# Altium PCB DC Battery Capacity Tester V1.2.PcbDoc (part 1 of 2)
Units mm, origin at the board's own origin, x right, y up, seen from the top; angles counter-clockwise.
Board outline 180.24 x 170.15 mm, 4 copper layers (SIG1, GND, PWR, SIG2), stack 1.746 mm thick; 140 components, 125 nets, 557 pads, 492 vias.
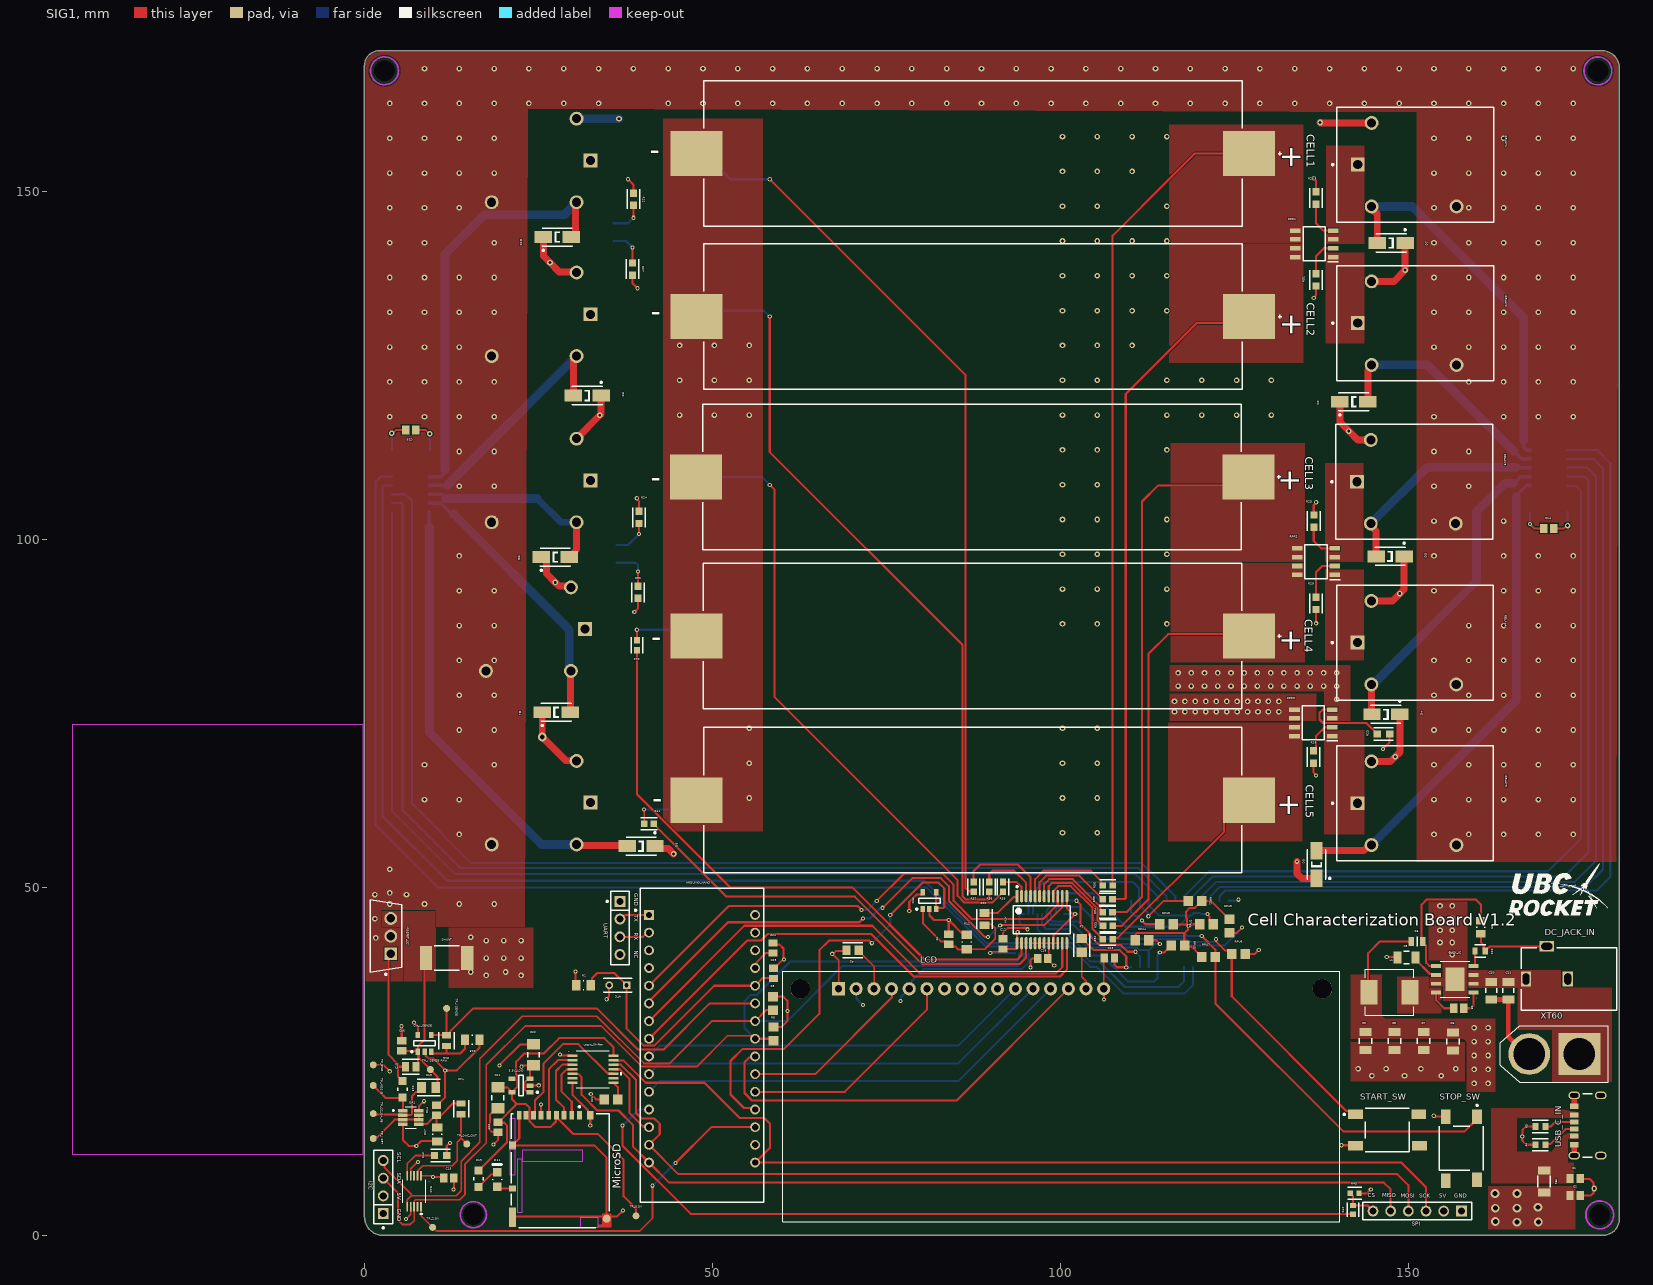
[diagram p0: SIG1 view]
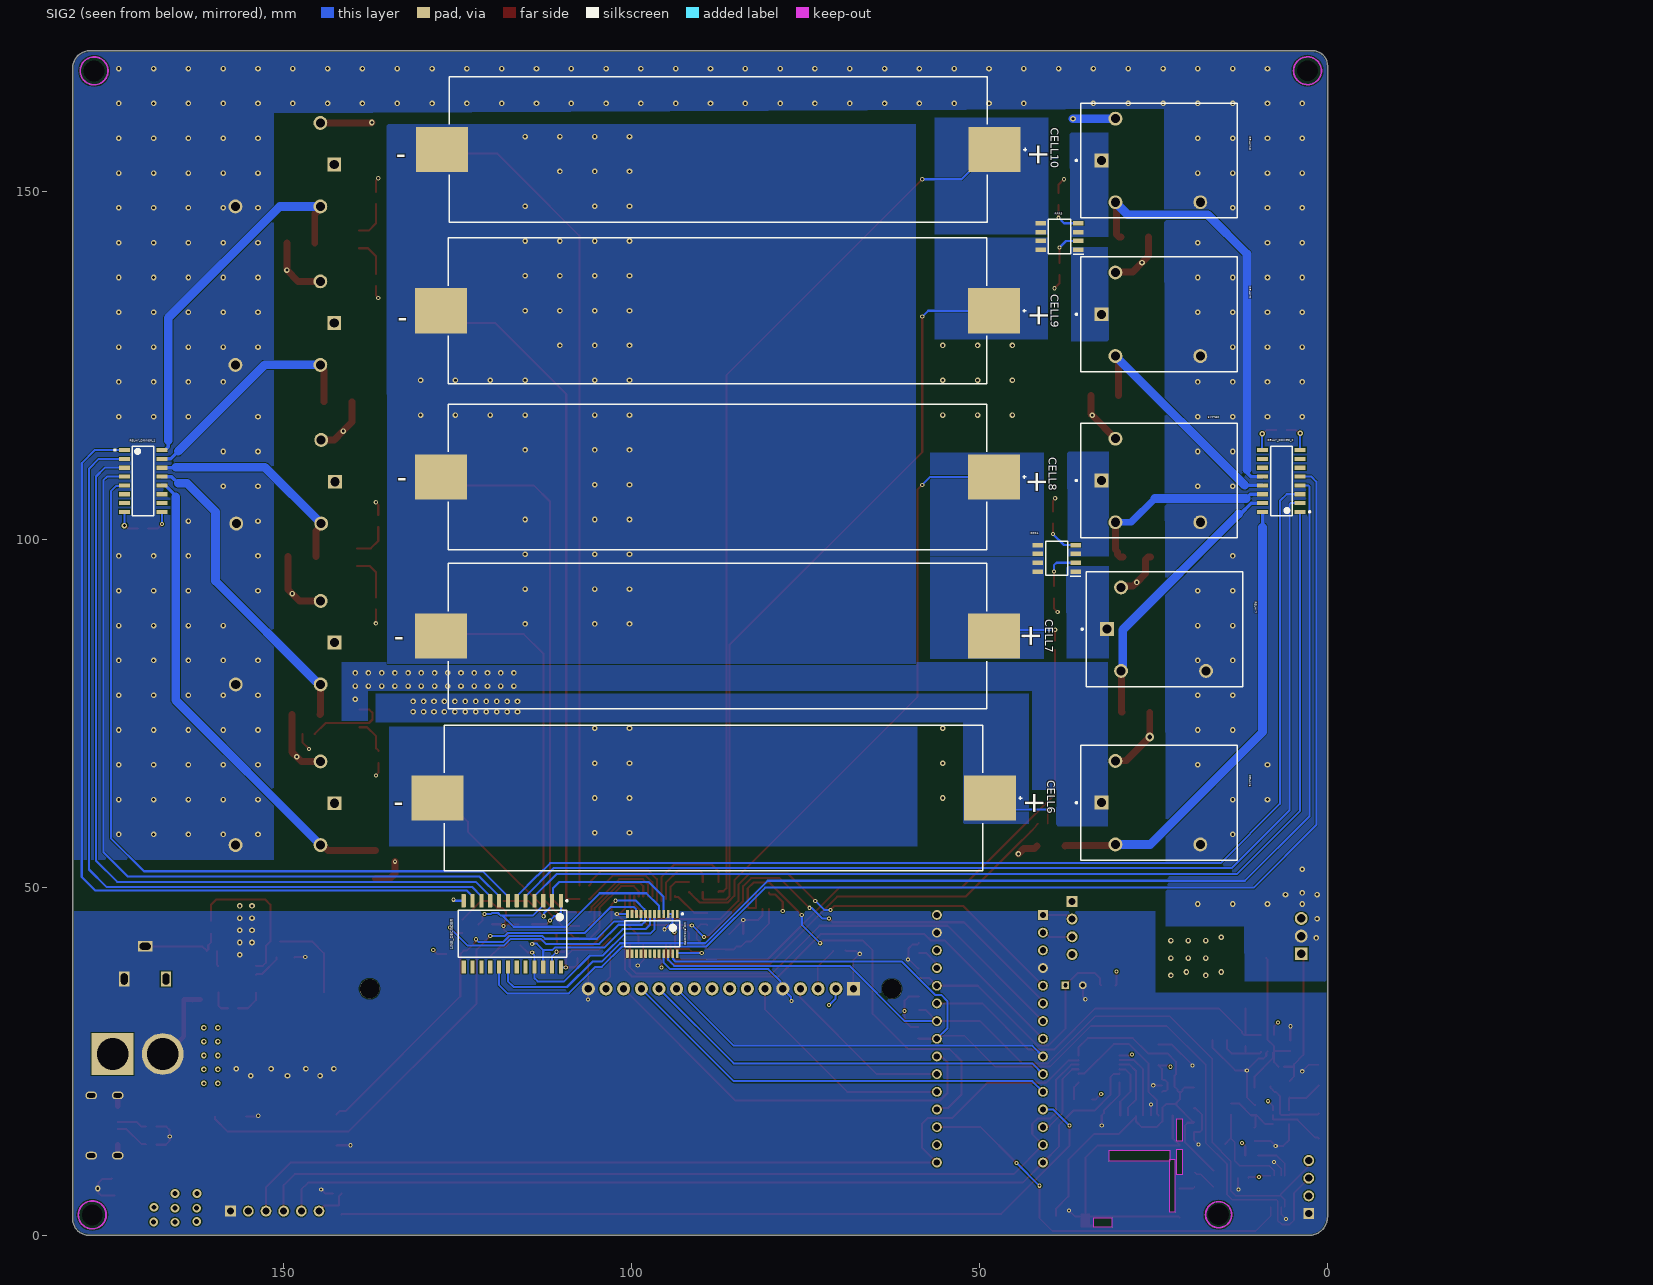
[diagram p1: SIG2 view, seen from below]
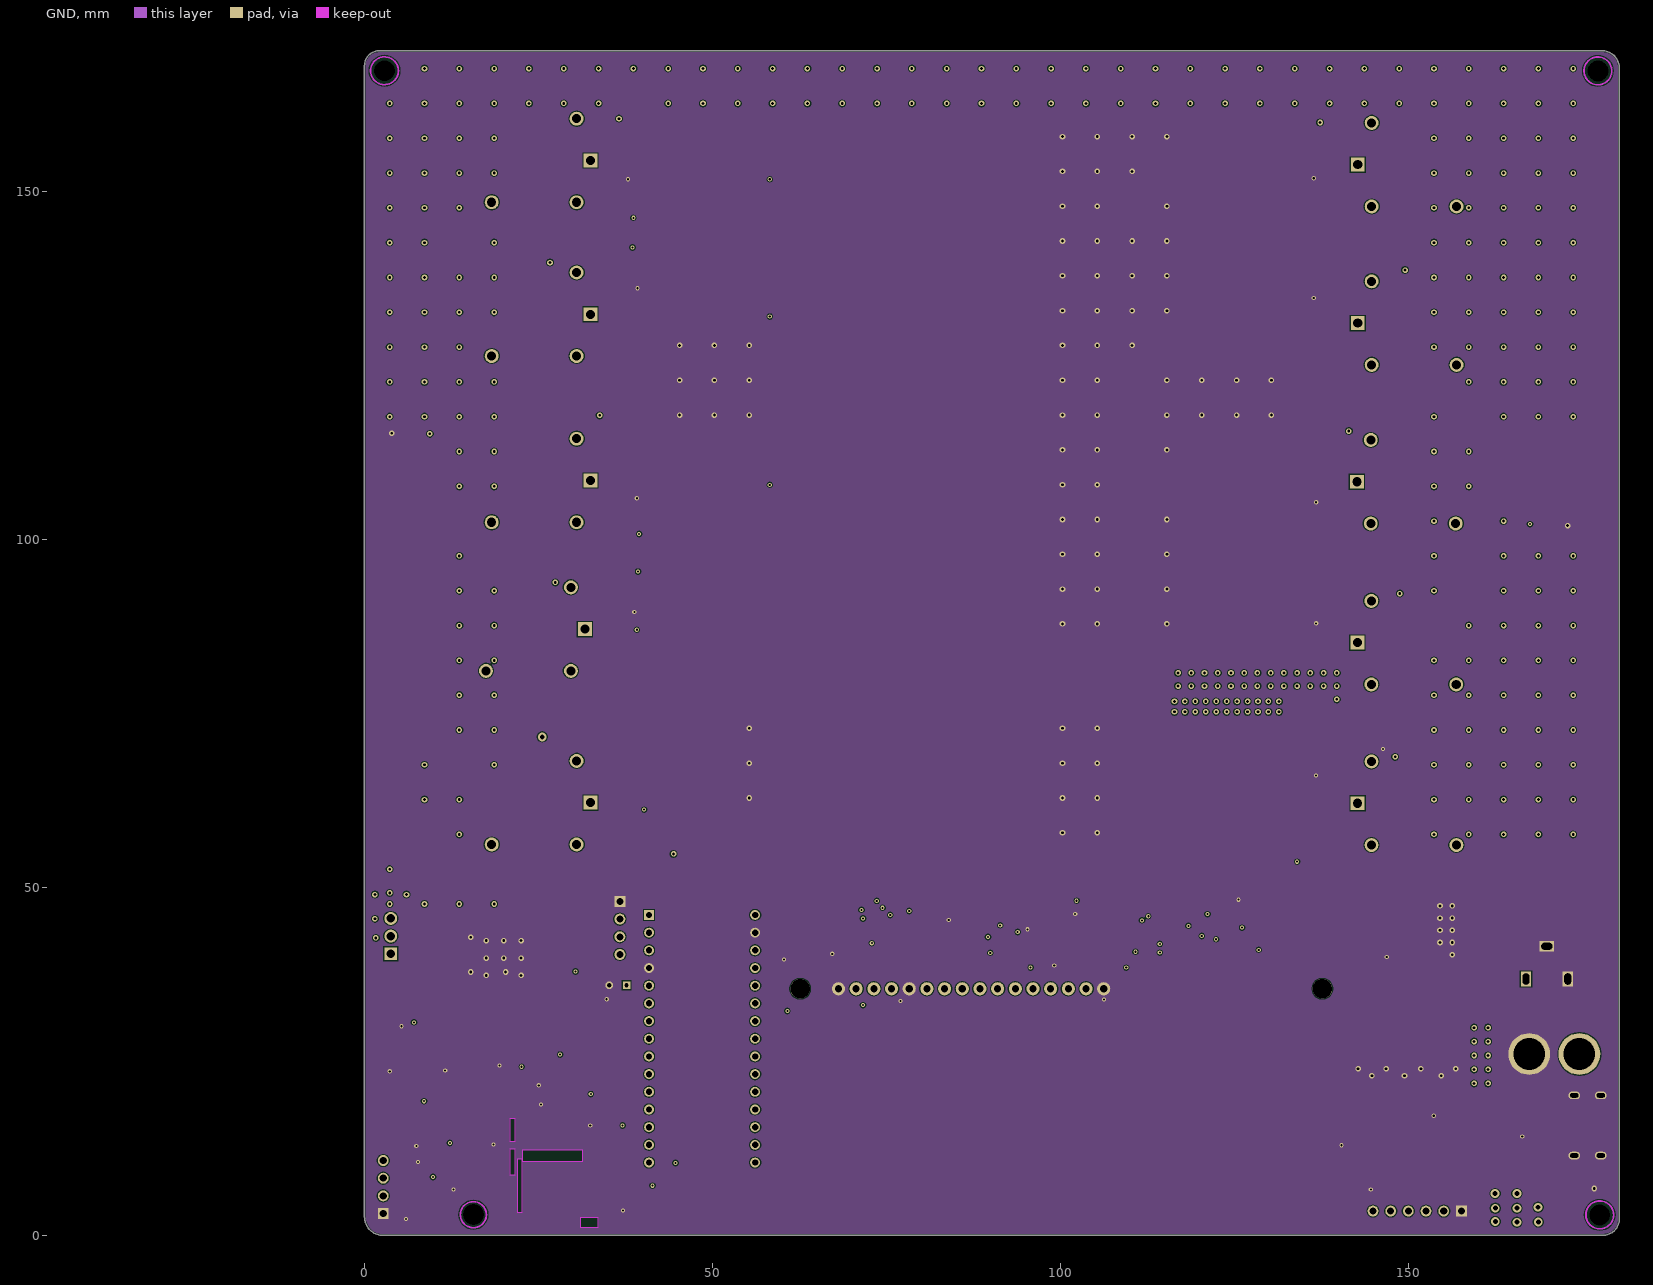
[diagram p2: GND]
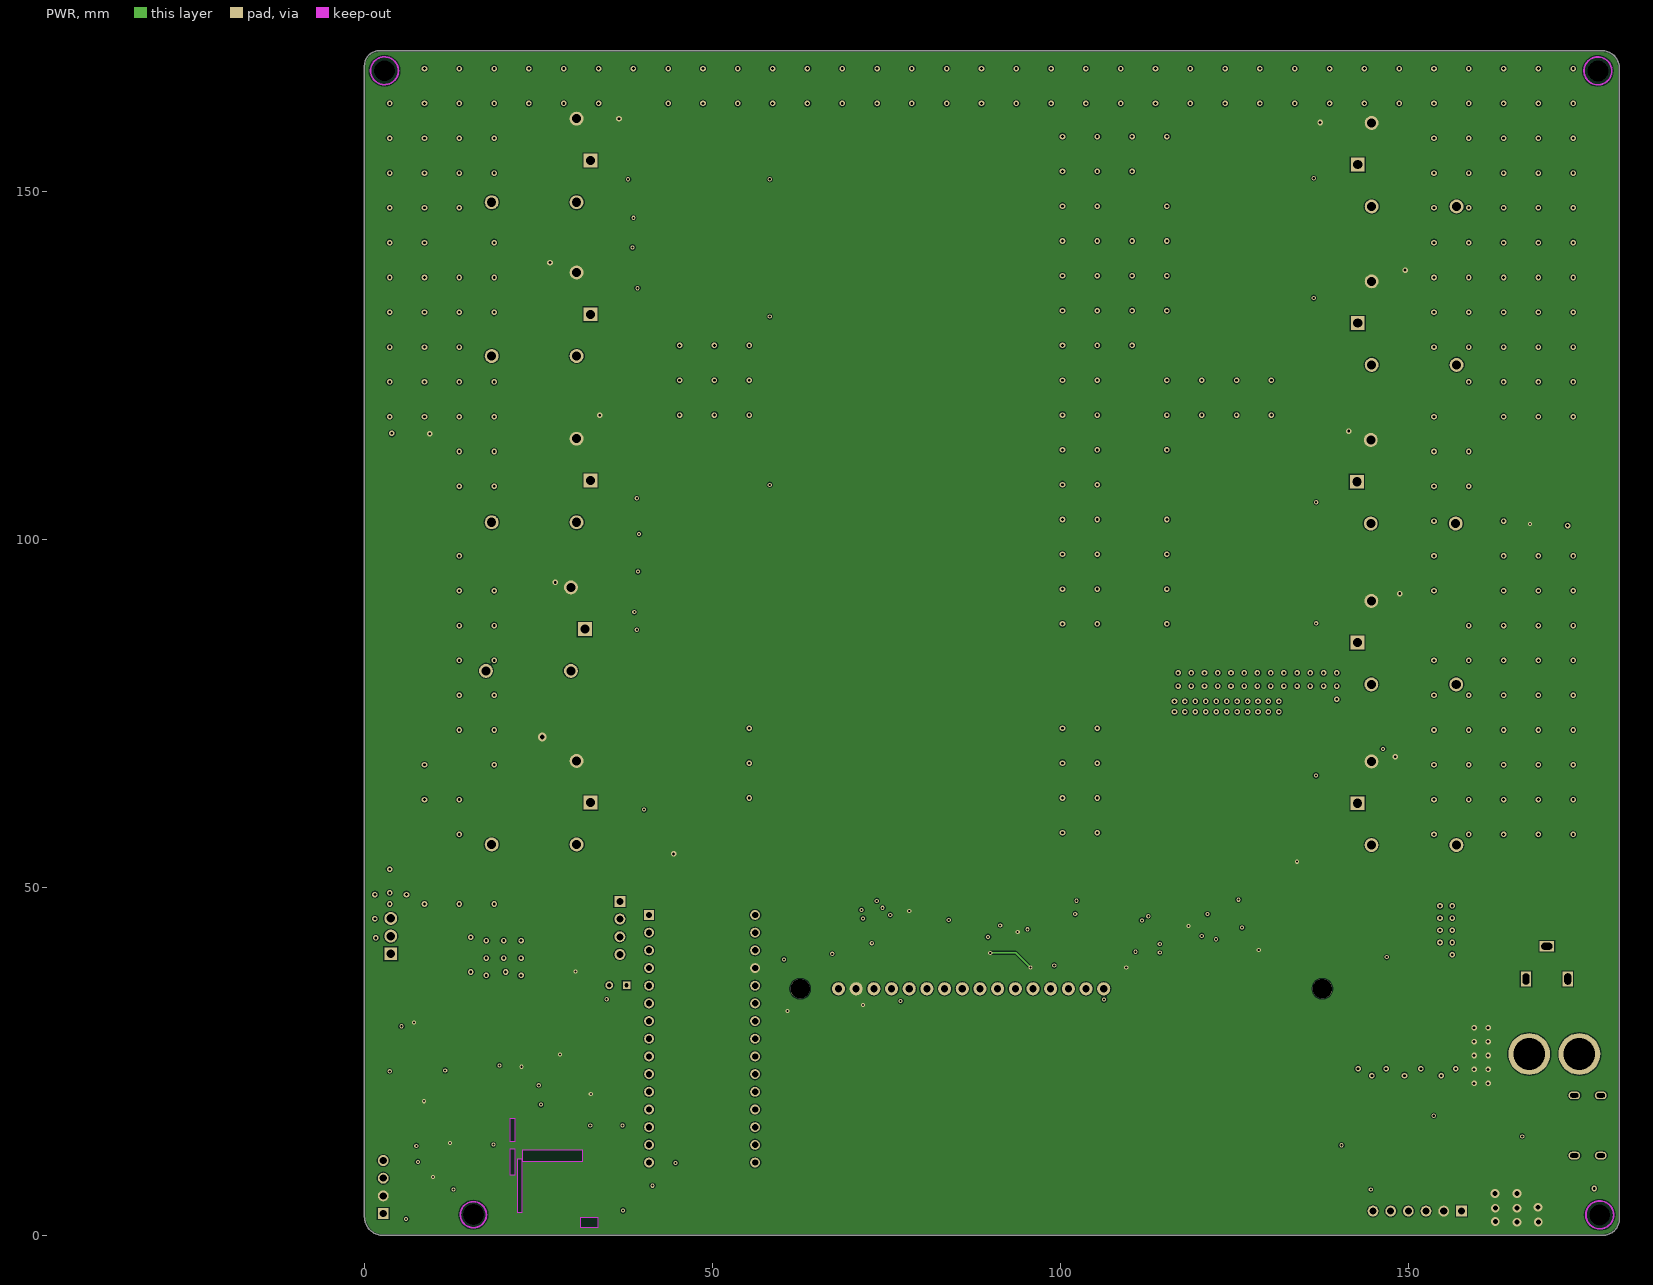
[diagram p3: PWR]
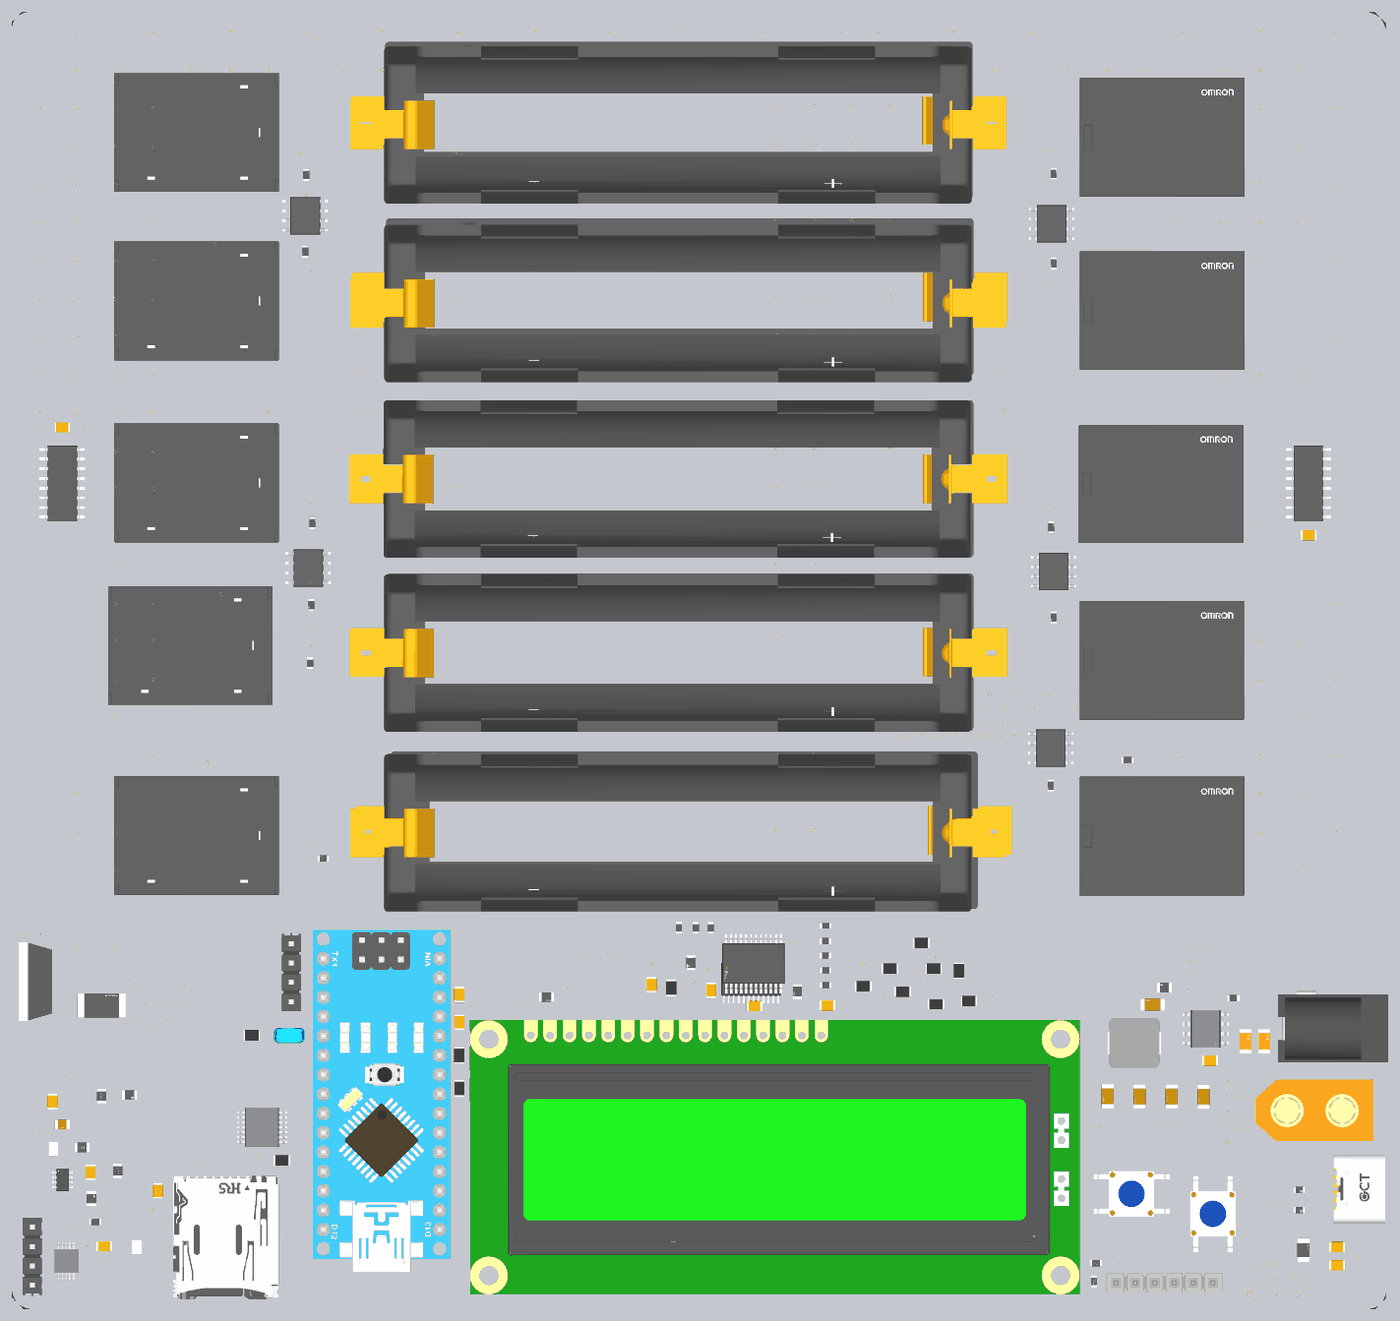
[diagram p5: 3D render of the assembled board from above, using the file's embedded part models]
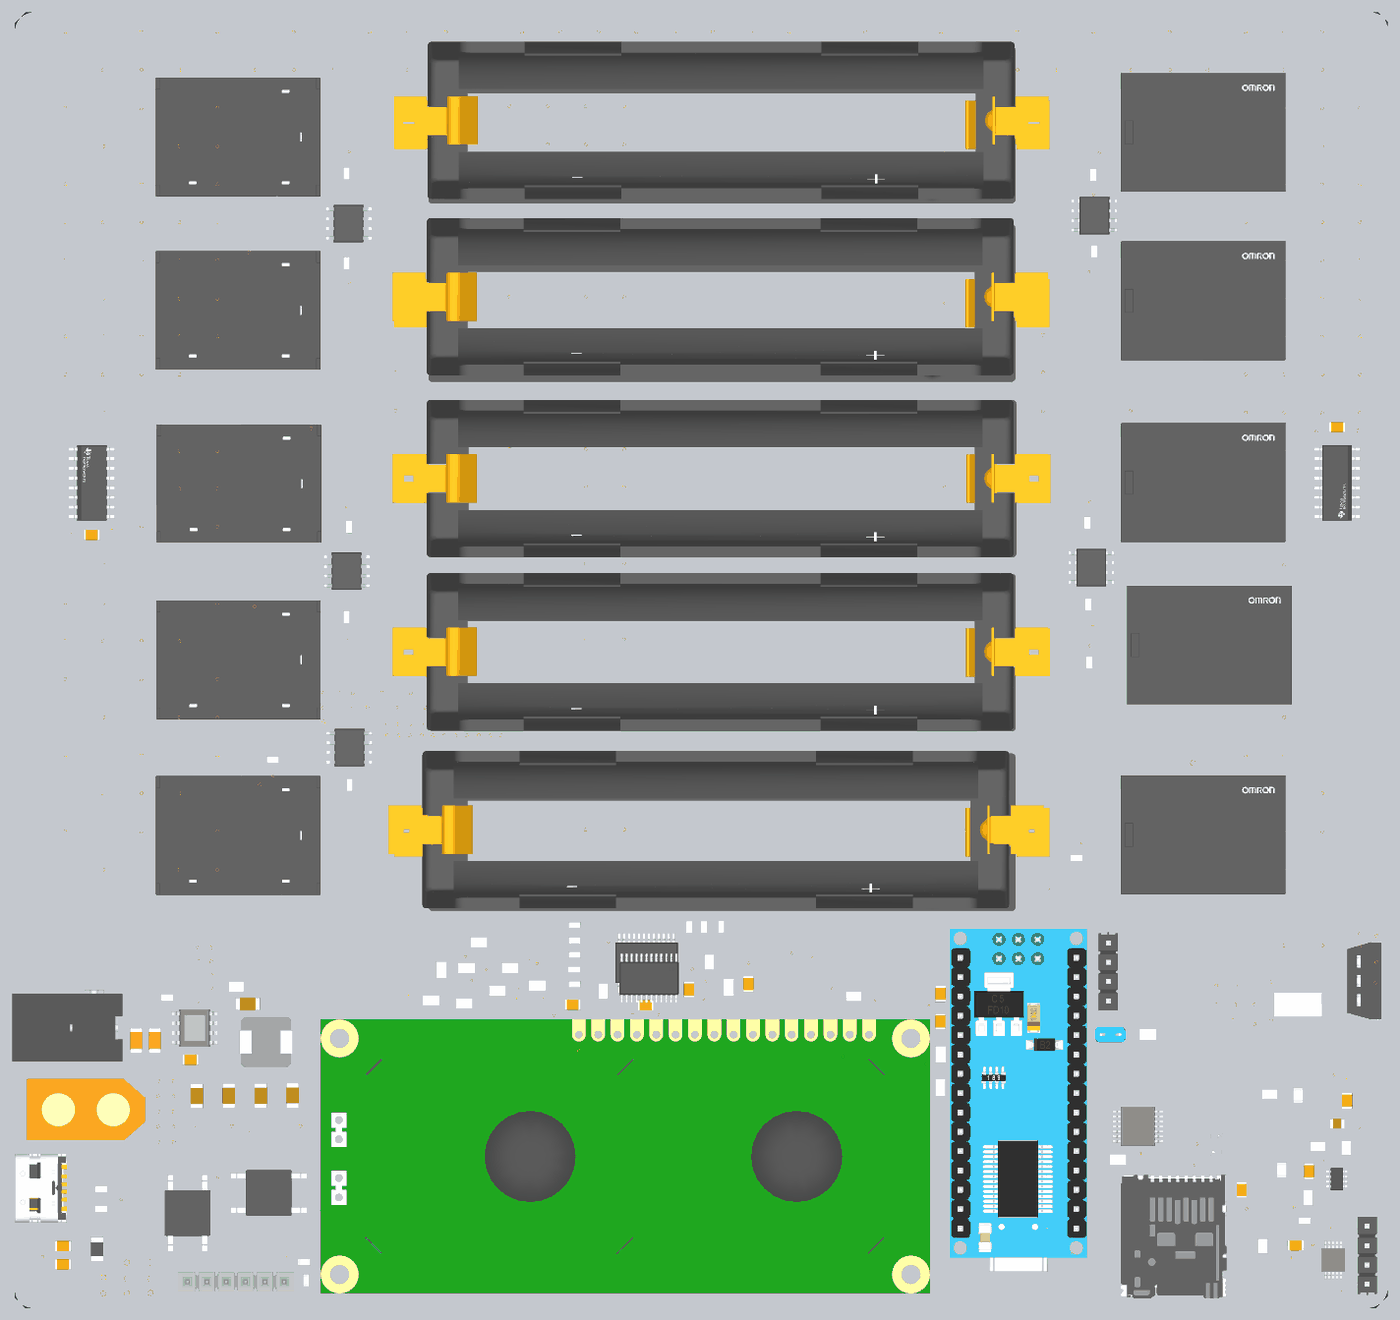
[diagram p6: 3D render of the assembled board from below, using the file's embedded part models]

## Layer stack, top to bottom
Top Solder: solder mask 0.0127, Solder Resist, Dk 3.3
SIG1: signal copper 0.0178
Dielectric 2: prepreg 0.0711, PP-006, Dk 4.1
GND: signal copper 0.035
Dielectric1: core 1.4986, FR-4, Dk 4.3
PWR: signal copper 0.035
Dielectric 3: prepreg 0.0711, PP-006, Dk 4.1
SIG2: signal copper 0.0178
Bottom Solder: solder mask 0.0127, Solder Resist, Dk 3.3

## Board outline
0,2.642 0,168.021 cw(c2.134,168.021) 2.134,170.155 177.749,170.155 cw(c177.749,167.665) 180.238,167.665 180.238,2.337 cw(c177.902,2.337) 177.902,0 2.642,0 cw(c2.642,2.642)

## Design rules (kind name [scope] priority, off if disabled: settings)
BoardOutlineClearance BoardOutlineClearance_1 [(InComponent('XT60') AND InComponent('DC JACK - IN'))] p1: gap=0 ignorepadtopadclearanceinfootprint=FALSE
BoardOutlineClearance [All] p2: gap=0.2 ignorepadtopadclearanceinfootprint=FALSE
Clearance MicroSD [InComponent('MicroSD')] p1: gap=0 ignorepadtopadclearanceinfootprint=TRUE
Clearance [WithinRoom('DAC_Clearance')] p2: gap=0.08 ignorepadtopadclearanceinfootprint=TRUE
Clearance Clearance_1 [All] p3: gap=0.14 ignorepadtopadclearanceinfootprint=TRUE
ComponentClearance "Cell Holder" [InComponent('Cell*')] p1: gap=0.254 collisioncheckmode=3 verticalgap=0 showdistances=FALSE checkcomponentboundary=TRUE
ComponentClearance ComponentClearance_1 [All] p2: gap=0.254 collisioncheckmode=3 verticalgap=0.254 showdistances=FALSE
DiffPairsRouting [All] p1: maxlimit=0.254 minlimit=0.254 mostfreqgap=0.254 toplayer_minwidth=0.254 toplayer_maxwidth=0.254 toplayer_prefwidth=0.254 midlayer1_minwidth=0.254 midlayer1_maxwidth=0.254 midlayer1_prefwidth=0.254 midlayer2_minwidth=0.254 midlayer2_maxwidth=0.254 midlayer2_prefwidth=0.254 bottomlayer_minwidth=0.254 bottomlayer_maxwidth=0.254 bottomlayer_prefwidth=0.254 maxuncoupledlength=12.7
HoleSize [All] p1: absolutevalues=TRUE maxlimit=7.62 minlimit=0.25 maxpercent=80.000 minpercent=20.000
MinimumAnnularRing [All] p1: minimumring=0.15
MinimumSolderMaskSliver SLIVER_IC_GANGPADS [InComponent('OA1') or InComponent('OA I_SENSE') or   InComponent('OA UB 2')] p1: minsoldermaskwidth=0
MinimumSolderMaskSliver MinimumSolderMaskSliver_1 [All] p2: minsoldermaskwidth=0.08
PasteMaskExpansion [All] p1: expansion=0.254
PlaneClearance [All] p1: clearance=0.381
PlaneConnect [All] p1: planeconnectstyle=Direct reliefexpansion=0.508 reliefentries=4 reliefconductorwidth=0.254 reliefairgap=0.254
PolygonConnect [All] p1: connectstyle=Direct reliefconductorwidth=0.254 reliefentries=4 polygonreliefangle="90 Angle" airgapwidth=0.254
RoutingVias [All] p1: holewidth=0.35 width=0.5 viastyle="Through Hole" minholewidth=0.25 minwidth=0.5 maxholewidth=1 maxwidth=1.5
SMDNeckDown [All] p1: percent=100.000
SilkToSilkClearance [All] p1: silktosilkclearance=0.13
SilkToSolderMaskClearance SilkscreenOverComponentPads [InComponent('FB1')] p1: minsilkscreentomaskgap=0 clearancetoexposedcopper=TRUE
SilkToSolderMaskClearance [IsPad] p2: minsilkscreentomaskgap=0.15 clearancetoexposedcopper=TRUE
SolderMaskExpansion [All] p1: expansion=0.254 istentingtop=FALSE
SupplyNets "Schematic Supply Nets_2" [InNet('3.3V')] p1: voltage=0.000
SupplyNets "Schematic Supply Nets_1" [InNet('5V')] p2: voltage=0.000
SupplyNets "Schematic Supply Nets" [InNet('GND')] p3: voltage=0.000
Width DAC [WithinRoom('DAC_Clearance')] p1: maxlimit=0.254 minlimit=0.2 preferedwidth=0.254 midlayer1_minwidth=0.254 midlayer2_minwidth=0.254 minimp=50.000000 maximp=50.000000 favimp=50.000000
Width [All] p2: maxlimit=2 minlimit=0.25 preferedwidth=1 midlayer1_minwidth=0.254 midlayer1_maxwidth=0.254 midlayer1_prefwidth=0.254 midlayer2_minwidth=0.254 midlayer2_maxwidth=0.254 midlayer2_prefwidth=0.254 bottomlayer_minwidth=0.3 bottomlayer_maxwidth=1.25 minimp=50.000000 maximp=50.000000 favimp=50.000000
21 further rules are at their usual default settings.

## Components (designator, comment, footprint, x,y, rotation, side; value= is the part's Value field where it differs from the comment)
3.3V_LDO "MIC5504-3.3YM5-TR" FP-SOT23-5LD-PL-1-MFG 22.487,21.51 r180 top
ARDUINO_NANO "A000005" FP-A000005-MFG 48.489,27.28 r0 top
BUCK_IC "AP64502QSP-13" SO-8EP_DIO 156.618,36.774 r180 top
C1 "100nF" CAPC2013X95X50LL10T25 173.888,8.144 r180 top
C2 "100nF" CAPC2013X95X50LL10T25 173.888,5.74 r180 top
C3 "100nF" CAPC2013X95X50LL10T25 157.182,32.614 r0 top
C4 "100nF" CAPC2013X95X50LL10T25 83.922,42.54 r90 top
C5 "47uF" FP-GRM31C-0_2-e0_3_0_8-IPC_C 149.667,39.929 r180 top
C6 "47uF" FP-GRM31C-0_2-e0_3_0_8-IPC_C 156.354,27.843 r270 top
C7 "47uF" FP-GRM31C-0_2-e0_3_0_8-IPC_C 152.151,27.898 r270 top
C8 "47uF" FP-GRM31C-0_2-e0_3_0_8-IPC_C 147.96,27.898 r270 top
C9 "47uF" FP-GRM31C-0_2-e0_3_0_8-IPC_C 143.769,27.924 r270 top
C10 "10uF" FP-CL31-IPC_C 161.851,35.141 r270 top
C11 "10uF" FP-CL31-IPC_C 164.301,35.141 r270 top
C12 "100nF" CAPC2013X95X50LL10T25 91.712,41.853 r270 top
C13 "GCM219R92A103KA37D" FP-GCM219-0_15-IPC_C 6.642,24.21 r0 top
C14 "100nF" CAPC2013X95X50LL10T25 170.121,101.535 r0 top
C15 "100nF" CAPC2013X95X50LL10T25 12.088,8.217 r0 top
C16 "100nF" CAPC2013X95X50LL10T25 5.348,27.232 r90 top
C17 "100nF" CAPC2013X95X50LL10T25 10.323,17.974 r90 top
C18 "100nF" CAPC2013X95X50LL10T25 97.425,39.758 r180 top
C19 "100nF" CAPC2013X95X50LL10T25 6.629,115.697 r0 top
C20 "100nF" CAPC2013X95X50LL10T25 19.164,15.532 r90 top
C21 "1uF" CAPC3216X180X50ML20T25 19.164,19.749 r90 top
C22 "1uF" CAPC3216X180X50ML20T25 24.275,25.932 r270 top
C23 "100nF" CAPC2013X95X50LL10T25 107,39.84 r180 top
C24 "100nF" CAPC2013X95X50LL10T25 58.701,41.273 r270 top
C25 "100nF" CAPC2013X95X50LL10T25 58.721,37.624 r270 top
CELL1 "1042P" FP-1042P-MFG 87.399,155.392 r0 top
CELL2 "1042P" FP-1042P-MFG 87.399,131.966 r0 top
CELL3 "1042P" FP-1042P-MFG 87.272,108.928 r0 top
CELL4 "1042P" FP-1042P-MFG 87.349,86.068 r0 top
CELL5 "1042P" FP-1042P-MFG 87.374,62.497 r0 top
CELL6 "1042P" FP-1042P-MFG 88.189,62.814 r180 bottom
CELL7 "1042P" FP-1042P-MFG 87.619,86.066 r180 bottom
CELL8 "1042P" FP-1042P-MFG 87.619,108.951 r180 bottom
CELL9 "1042P" FP-1042P-MFG 87.619,132.806 r180 bottom
CELL10 "1042P" FP-1042P-MFG 87.503,155.956 r180 bottom
D1 "S1M-13-F" DIOD-S1M-13-F-SMA-2_V 147.472,142.545 r0 top
D2 "S1M-13-F" DIOD-S1M-13-F-SMA-2_V 142.113,119.736 r180 top
D3 "S1M-13-F" DIOD-S1M-13-F-SMA-2_V 147.325,97.522 r0 top
D4 "S1M-13-F" DIOD-S1M-13-F-SMA-2_V 146.714,74.836 r0 top
D5 "S1M-13-F" DIOD-S1M-13-F-SMA-2_V 136.754,53.264 r270 top
D6 "S1M-13-F" DIOD-S1M-13-F-SMA-2_V 39.726,55.905 r0 top
D7 "S1M-13-F" DIOD-S1M-13-F-SMA-2_V 27.534,75.133 r180 top
D8 "S1M-13-F" DIOD-S1M-13-F-SMA-2_V 27.404,97.415 r180 top
D9 "S1M-13-F" DIOD-S1M-13-F-SMA-2_V 32.004,120.625 r0 top
D10 "S1M-13-F" DIOD-S1M-13-F-SMA-2_V 27.686,143.383 r180 top
D11 "SD Detect" LTST-C170KSKT_V 19.062,8.002 r90 top
DAC "DAC60501ZDGSR" DGS10_TEX 7.142,6.325 r270 top
DC_JACK_IN "PJ-102BH" CUI-PJ-102BH_V 169.84,36.818 r0 top
FB1 "3.5A 120ohm" FP-BLM31-0_2-t1_1-MFG 169.438,7.719 r90 top
I2C "TSW-104-23-T-S" FP-TSW-104-23-T-S-MFG 2.692,6.934 r90 top
I2C_EXPANDER "PCF8575PWR" PW0024A_L 96.982,43.308 r270 bottom
L1 "MGAH06036R8M-10" IND_MGAH06036R8M-10 147.244,34.925 r180 top value=6.8µH
LCD "LCD-16X2" MODULE_LCD-16X2 100.086,19.914 r0 top
LINE_DECODER "CD4514BM96" DW0024A_N 117.094,43.308 r270 bottom
Logic_Shifter "TXU0304PWR" TSSOP14_PW_TEX 32.815,23.859 r0 top
MicroSD "DM3AT-SF-PEJM5(40)" FP-DM3AT-SF-PEJM5_40-MFG 28.1,9.25 r0 top
MOSFET_CC "IRLZ44NPBF" FP-PG-TO220-3-MFG 3.073,42.978 r180 top
MUX "CD74HC4067SM96" FP-DB0024A-IPC_C 97.307,45.331 r270 top
NTC "NXRT15XH103FA1B030" FP-NXR_151B030-MFG 36.4,35.922 r180 top
OA1 "TLV9162IDDFR" SOT65P280X110-8N 6.658,16.945 r0 top
OA2 "MCP6001UT-E/OT" SOT-23-OT5_L 81.153,48.058 r90 top